# Altium PCB TEBF0808ASCII.PcbDoc (part 1 of 10) (continued)
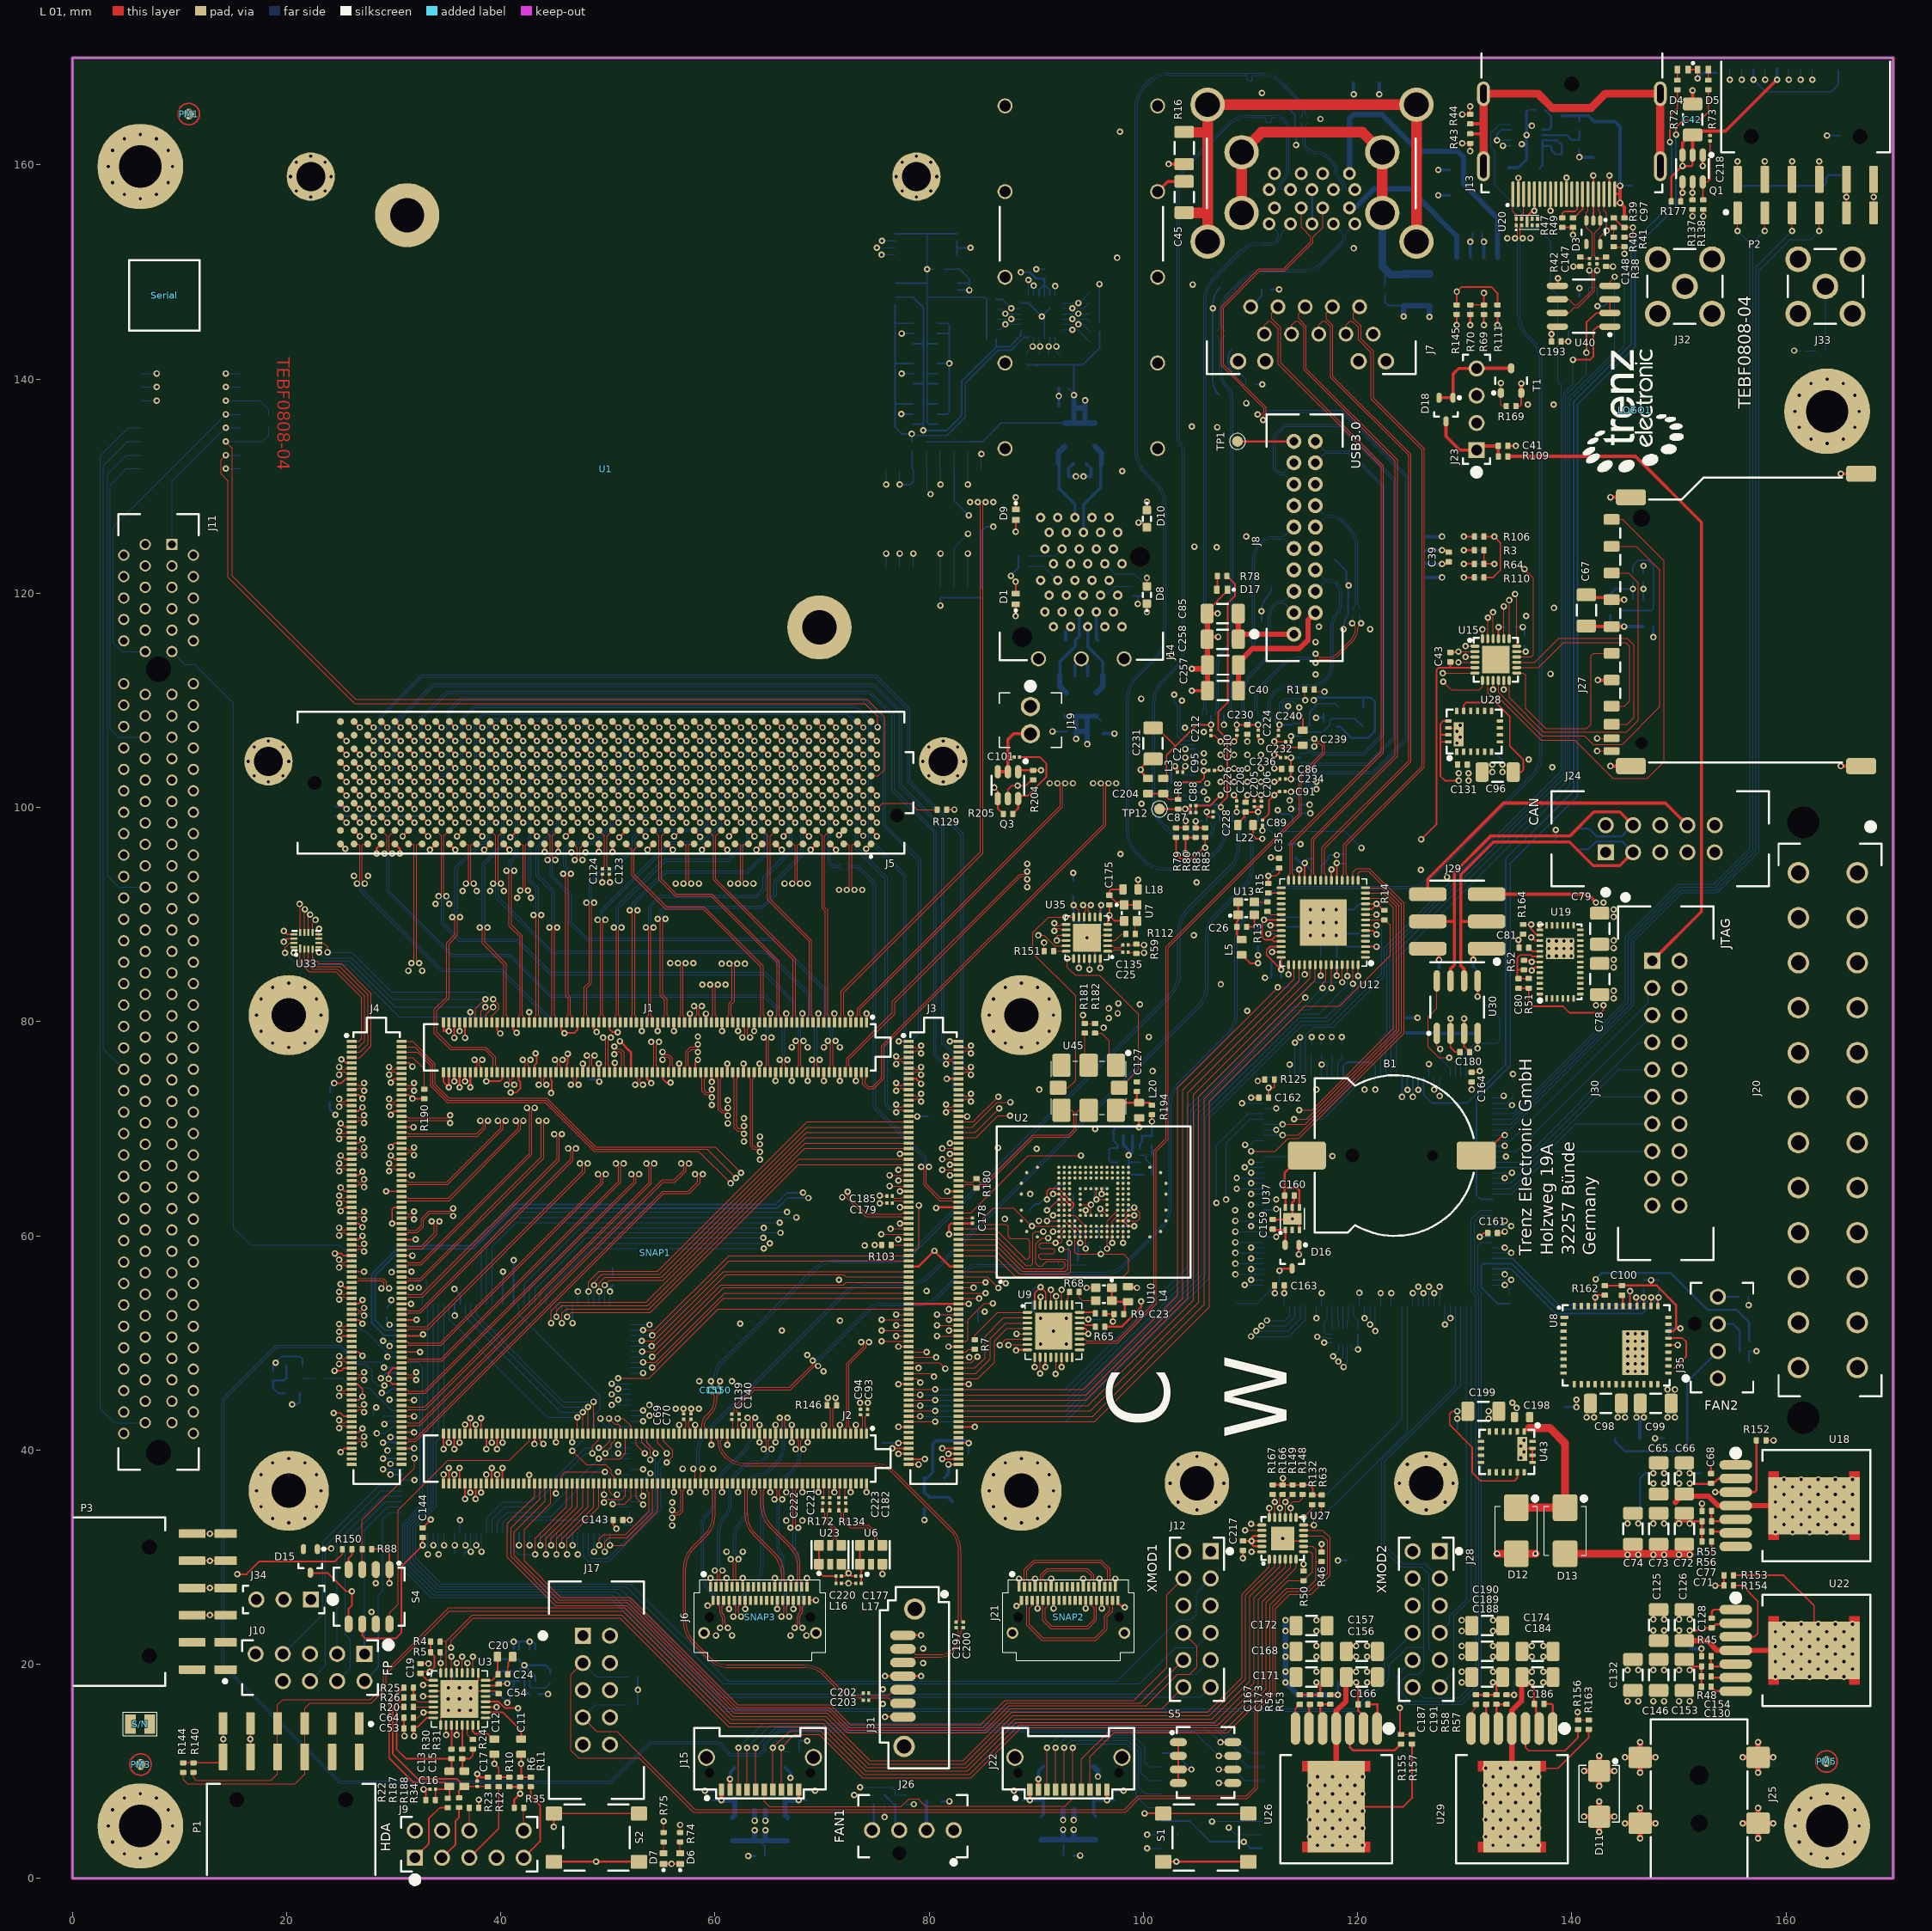
[diagram p0: L 01 view]
## Design rules (kind name [scope] priority, off if disabled: settings) (continued)
Width [All] p0: scope1count=1 scope1_0_kind=Board scope1_0_value=Board scope2count=1 scope2_0_kind=Board scope2_0_value=Board commentlength=0 maxlimit=1 minlimit=0.1 preferedwidth=0.1
Width [All] p1: maxlimit=1 minlimit=0.1 preferedwidth=0.1 minimp=50.000000 maximp=50.000000 favimp=50.000000
20 further rules are at their usual default settings.

## Classes and differential pairs
net class D100_U: USB3_RXUP_N USB3_RXUP_P USB3_RXUPC_N USB3_RXUPC_P USB3_TXUP_N USB3_TXUP_P USB3_TXUPC_N USB3_TXUPC_P
net class SATA: SATA_RX_N SATA_RX_P SATA_TX_N SATA_TX_P
component class CLK_MUX: C127 C177 C179 C181 C182 C185 C196 C220 C221 C222 C223 L16 L17 L20 R134 R146 R172 R180 R181 R182 R191 R192 R193 R194 U6 U23 U45 U47
component class PMODE: P1 P2 P3 R140 R144 R166 R167 U33
component class SATA: C197 C200 C202 C203 J31
net class PWR: 5V 12V
component class FMC: J5
component class Power_1: C125 C126 C128 C130 C132 C146 C153 C154 C156 C157 C166 C167 C168 C171 C172 C173 R45 R48 R53 R54 R153 R154 R155 R157 TP4 TP5 U22 U26
net class eMMC: MMC-CCLK MMC-CMD MMC-D0 MMC-D1 MMC-D2 MMC-D3 MMC-D4 MMC-D5 MMC-D6 MMC-D7
component class eMMC: C107 C108 C115 C116 C119 C120 R89 R90 R91 R92 R93 R94 R95 R96 R99 R103 R184 U2
component class FireFly: C103 C104 C105 C106 C109 C110 C111 C112 C113 C114 C117 C118 J6 J15 J21 J22 L2 L6 L13 L14 R17 R33 R46 R50 R148 R149 SNAP2 SNAP3 U34
net class USB3_PHY: USB0_D_N USB0_D_P USB3_RXUP_N USB3_RXUP_P USB3_RXUPC_N USB3_RXUPC_P USB3_TXUP_N USB3_TXUP_P USB3_TXUPC_N USB3_TXUPC_P
net class HB: B48_L1_N B48_L1_P B48_L2_N B48_L2_P B48_L3_N B48_L3_P B48_L4_N B48_L4_P B48_L5_N B48_L5_P B48_L8_N B48_L8_P B48_L9_N B48_L9_P B48_L10_N B48_L10_P B48_L11_N B48_L11_P B48_L12_N B48_L12_P B64_L13_N B64_L13_P B64_L20_N B64_L20_P B64_L21_N B64_L21_P B64_L22_N B64_L22_P B64_L23_N B64_L23_P B64_L24_N B64_L24_P B65_L11_N B65_L11_P B65_L20_N B65_L20_P B65_L21_N B65_L21_P B65_L22_N B65_L22_P B65_L23_N B65_L23_P B65_L24_N B65_L24_P
net class LA: B64_L1_N B64_L1_P B64_L2_N B64_L2_P B64_L3_N B64_L3_P B64_L4_N B64_L4_P B64_L5_N B64_L5_P B64_L6_N B64_L6_P B64_L7_N B64_L7_P B64_L8_N B64_L8_P B64_L9_N B64_L9_P B64_L10_N B64_L10_P B64_L11_N B64_L11_P B64_L12_N B64_L12_P B64_L15_N B64_L15_P B64_L16_N B64_L16_P B64_L17_N B64_L17_P B64_L18_N B64_L18_P B64_L19_N B64_L19_P B65_L1_N B65_L1_P B65_L2_N B65_L2_P B65_L3_N B65_L3_P B65_L4_N B65_L4_P B65_L5_N B65_L5_P B65_L6_N B65_L6_P B65_L7_N B65_L7_P B65_L8_N B65_L8_P B65_L9_N B65_L9_P B65_L10_N B65_L10_P B65_L12_N B65_L12_P B65_L13_N B65_L13_P B65_L15_N B65_L15_P B65_L16_N B65_L16_P B65_L17_N B65_L17_P B65_L18_N B65_L18_P B65_L19_N B65_L19_P
net class DisplayPortA: DP_TX_L0_N DP_TX_L0_P
component class DP_PS: C97 C129 C134 C137 C139 C140 C147 C148 C193 D2 D3 J13 R38 R39 R40 R41 R42 R43 R44 R47 R49 R66 R67 R84 R97 R158 R159 TP18 TP19 U20 U31 U40
component class "FMC PWR": C101 J19 M1 Q3 R204 R205 U1
net class HA: B66_L1_N B66_L1_P B66_L2_N B66_L2_P B66_L3_N B66_L3_P B66_L4_N B66_L4_P B66_L5_N B66_L5_P B66_L6_N B66_L6_P B66_L7_N B66_L7_P B66_L8_N B66_L8_P B66_L9_N B66_L9_P B66_L10_N B66_L10_P B66_L11_N B66_L11_P B66_L12_N B66_L12_P B66_L13_N B66_L13_P B66_L14_N B66_L14_P B66_L15_N B66_L15_P B66_L16_N B66_L16_P B66_L17_N B66_L17_P B66_L18_N B66_L18_P B66_L19_N B66_L19_P B66_L20_N B66_L20_P B66_L21_N B66_L21_P B66_L22_N B66_L22_P B66_L23_N B66_L23_P B66_L24_N B66_L24_P
net class D100: B48_L1_N B48_L1_P B48_L2_N B48_L2_P B48_L3_N B48_L3_P B48_L4_N B48_L4_P B48_L5_N B48_L5_P B48_L8_N B48_L8_P B48_L9_N B48_L9_P B48_L10_N B48_L10_P B48_L11_N B48_L11_P B48_L12_N B48_L12_P B64_L1_N B64_L1_P B64_L2_N B64_L2_P B64_L3_N B64_L3_P B64_L4_N B64_L4_P B64_L5_N B64_L5_P B64_L6_N B64_L6_P B64_L7_N B64_L7_P B64_L8_N B64_L8_P B64_L9_N B64_L9_P B64_L10_N B64_L10_P B64_L11_N B64_L11_P B64_L12_N B64_L12_P B64_L13_N B64_L13_P B64_L15_N B64_L15_P B64_L16_N B64_L16_P B64_L17_N B64_L17_P B64_L18_N B64_L18_P B64_L19_N B64_L19_P B64_L20_N B64_L20_P B64_L21_N B64_L21_P B64_L22_N B64_L22_P B64_L23_N B64_L23_P B64_L24_N B64_L24_P B65_L1_N B65_L1_P B65_L2_N B65_L2_P B65_L3_N B65_L3_P B65_L4_N B65_L4_P B65_L5_N B65_L5_P B65_L6_N B65_L6_P B65_L7_N B65_L7_P B65_L8_N B65_L8_P B65_L9_N B65_L9_P B65_L10_N B65_L10_P B65_L11_N B65_L11_P B65_L12_N B65_L12_P B65_L13_N B65_L13_P B65_L15_N B65_L15_P B65_L16_N B65_L16_P B65_L17_N B65_L17_P B65_L18_N B65_L18_P B65_L19_N B65_L19_P B65_L20_N B65_L20_P B65_L21_N B65_L21_P B65_L22_N B65_L22_P B65_L23_N B65_L23_P B65_L24_N B65_L24_P B66_L1_N B66_L1_P B66_L2_N B66_L2_P B66_L3_N B66_L3_P B66_L4_N B66_L4_P B66_L5_N B66_L5_P B66_L6_N B66_L6_P B66_L7_N B66_L7_P B66_L8_N B66_L8_P B66_L9_N B66_L9_P B66_L10_N B66_L10_P B66_L11_N B66_L11_P B66_L12_N B66_L12_P B66_L13_N B66_L13_P B66_L14_N B66_L14_P B66_L15_N B66_L15_P B66_L16_N B66_L16_P B66_L17_N B66_L17_P B66_L18_N B66_L18_P B66_L19_N B66_L19_P B66_L20_N B66_L20_P B66_L21_N B66_L21_P B66_L22_N B66_L22_P B66_L23_N B66_L23_P B66_L24_N B66_L24_P B228_RX0_N B228_RX0_P B228_RX1_N B228_RX1_P B228_RX2_N B228_RX2_P B228_RX3_N B228_RX3_P B228_TX0_N B228_TX0_P B228_TX1_N B228_TX1_P B228_TX2_N B228_TX2_P B228_TX3_N B228_TX3_P B229_RX0_N B229_RX0_P B229_RX1_N B229_RX1_P B229_RX2_N B229_RX2_P B229_RX3_N B229_RX3_P B229_TX0_N B229_TX0_P B229_TX1_N B229_TX1_P B229_TX2_N B229_TX2_P B229_TX3_N B229_TX3_P B230_RX0_N B230_RX0_P B230_RX1_N B230_RX1_P B230_TX0_N B230_TX0_P B230_TX1_N B230_TX1_P
net class USB3_4: U3D4_N U3D4_P USB2_DN4_D_N USB2_DN4_D_P USB3_RXDN4_D_N USB3_RXDN4_D_P USB3_TXDN4_D_N USB3_TXDN4_D_P
net class USB3_3: U3D3_N U3D3_P USB2_DN3_D_N USB2_DN3_D_P USB3_RXDN3_D_N USB3_RXDN3_D_P USB3_TXDN3_D_N USB3_TXDN3_D_P
component class SC2: C141 C142 C143 C144 C145 L15 R19 R88 R189 U25 U38 U39
component class Power_2: C65 C66 C68 C71 C72 C73 C74 C77 C98 C99 C100 D15 R55 R56 R81 R82 R150 R152 R162 R183 R185 R186 TP3 TP6 U8 U18
component class SC: C161 C162 C163 C164 U17 U32
component class I2C_system: C215 C217 J34 R63 R132 R135 R136 R141 R142 R? U16 U27
component class SD: C42 C43 C46 C67 C165 C218 C219 J16 J27 Q1 Q2 R137 R138 R139 R147 R177 R178 U15
component class USB: C2 C86 C87 C88 C89 C91 C95 C204 C205 C206 C208 C210 C212 C224 C226 C228 C230 C231 C232 C234 C236 C239 C240 L3 L22 R8 TP12
component class ETH-PHY: C14 C26 C27 C28 C29 C30 C31 C32 C33 C34 C35 C36 C37 C38 C44 C45 C136 C169 C170 L5 L7 R13 R14 R15 R16 R36 R37 U12 U13
component class USB-PHY: C21 C22 C23 C158 L4 R7 R9 R65 R68 TP33 U9 U10
component class USB-CONN: C3 C4 C5 C6 C7 C8 C9 C10 C39 C40 C82 C83 C84 C85 C149 C257 C258 C259 C260 C261 J7 J8 R3 R64 R69 R70 R106 R110 R111 R143 R145 TP1 U11 U14 U21 U49 U50 U51
component class PCIe: C69 C70 C93 C94 J11 R119 R120
component class J3: C1 J3 L1 TP15 TP28 TP29 TP30 TP31 TP32 TP36
component class J2: B1 C159 C160 D16 J2 TP2 U37
component class J1: J1 R160
component class TEBF0808: C41 D11 D18 J10 J20 J23 J25 J26 J35 L19 L21 LOGO1 PM1 PM2 PM3 PM4 PM5 PM6 R27 R28 R29 R60 R61 R98 R109 R169 R196 R197 R198 R199 S1 S2 S/N Serial SNAP1 T1 TP11 U48
component class SFP: C47 C48 C49 C50 C51 C52 C57 C58 C59 C60 C61 C62 D1 D8 D9 D10 J14 L8 L9 L11 L12 R18 R21 R86 R87 R101 R102 R104 R105 R107 R108 R113 R114 R115 R117 R118 R121 R122 R123 R124 R127 R165 R179 U44
net class ETH-MDI: PHY_MDI0_N PHY_MDI0_P PHY_MDI1_N PHY_MDI1_P PHY_MDI2_N PHY_MDI2_P PHY_MDI3_N PHY_MDI3_P
net class eSD: ESD_CLK ESD_CMD ESD_DAT0 ESD_DAT1 ESD_DAT2 ESD_DAT3
component class XMOD: J12 J28 J30
component class CLK: C25 C75 C76 C135 C175 C176 C178 C183 C194 C195 J32 J33 L10 L18 R59 R112 R130 R131 R151 R168 U7 U35
net class ETH: ETH_RXCK ETH_RXCTL ETH_RXD0 ETH_RXD1 ETH_RXD2 ETH_RXD3 ETH_TXCK ETH_TXCTL ETH_TXD0 ETH_TXD1 ETH_TXD2 ETH_TXD3
net class SD: SD_CLK SD_CMD SD_DAT0 SD_DAT1 SD_DAT2 SD_DAT3
net class USB0: USB0_CLK USB0_DATA0 USB0_DATA1 USB0_DATA2 USB0_DATA3 USB0_DATA4 USB0_DATA5 USB0_DATA6 USB0_DATA7 USB0_DIR USB0_NXT USB0_STP
component class FMC_MISC: C121 C122 C123 C124 R2 R62 R116 R125 R126 R129
net class FMC_DP: B228_RX0_N B228_RX0_P B228_RX1_N B228_RX1_P B228_RX2_N B228_RX2_P B228_RX3_N B228_RX3_P B228_TX0_N B228_TX0_P B228_TX1_N B228_TX1_P B228_TX2_N B228_TX2_P B228_TX3_N B228_TX3_P B229_RX0_N B229_RX0_P B229_RX1_N B229_RX1_P B229_RX2_N B229_RX2_P B229_RX3_N B229_RX3_P B229_TX0_N B229_TX0_P B229_TX1_N B229_TX1_P B229_TX2_N B229_TX2_P B229_TX3_N B229_TX3_P B230_RX0_N B230_RX0_P B230_RX1_N B230_RX1_P B230_TX0_N B230_TX0_P B230_TX1_N B230_TX1_P
component class Audio: C11 C12 C13 C15 C16 C17 C18 C19 C20 C24 C53 C54 C55 C56 C63 C64 C207 C214 C216 J9 R4 R5 R6 R10 R11 R12 R20 R22 R23 R24 R25 R26 R30 R31 R34 R35 R128 R170 R171 R187 R188 TP13 U3 U46
component class J4: J4 R32 R161 R190
component class USB3-HUB: C150 C151 C152 C155 C255 C256 C? D17 R1 R71 R76 R77 R78 R79 R80 R83 R85 R195 R200 R201 R202 R203 U4 U5 Y1
net class USB3_1: U3D1_N U3D1_P USB2_DN1_D_N USB2_DN1_D_P USB3_RXDN1_D_N USB3_RXDN1_D_P USB3_TXDN1_D_N USB3_TXDN1_D_P
net class USB3_2: U3D2_N U3D2_P USB2_DN2_D_N USB2_DN2_D_P USB3_RXDN2_D_N USB3_RXDN2_D_P USB3_TXDN2_D_N USB3_TXDN2_D_P
component class Power_3: C78 C79 C80 C81 C96 C131 C174 C184 C186 C187 C188 C189 C190 C191 R51 R52 R57 R58 R156 R163 R164 TP7 TP8 TP9 U19 U28 U29
net class SFP1_CTRL: SFP1_LOS SFP1_M-DEF0 SFP1_RS0 SFP1_RS1 SFP1_SCL SFP1_SDA SFP1_TX_DIS SFP1_TX_FAULT
net class SFP2_CTRL: SFP2_LOS SFP2_M-DEF0 SFP2_RS0 SFP2_RS1 SFP2_SCL SFP2_SDA SFP2_TX_DIS SFP2_TX_FAULT
component class MISC: C138 C180 C192 D4 D5 D6 D7 D14 J17 J24 J29 R72 R73 R74 R75 R100 R133 R173 R174 S4 S5 U24 U30 U36 U41 U42
component class Power_4: C198 C199 D12 D13 D? TP10 U43
net class PCI: CLK0_N CLK0_P PCI_REF_N PCI_REF_P PCI_RX_N PCI_RX_P PCI_TX_N PCI_TX_P PET0_N PET0_P
net class FF: B128_RX0_N B128_RX0_P B128_RX1_N B128_RX1_P B128_RX2_N B128_RX2_P B128_RX3_N B128_RX3_P B128_TX0_N B128_TX0_P B128_TX1_N B128_TX1_P B128_TX2_N B128_TX2_P B128_TX3_N B128_TX3_P
net class HS: A2_N A2_P B2_N B2_P B128_RX0_N B128_RX0_P B128_RX1_N B128_RX1_P B128_RX2_N B128_RX2_P B128_RX3_N B128_RX3_P B128_TX0_N B128_TX0_P B128_TX1_N B128_TX1_P B128_TX2_N B128_TX2_P B128_TX3_N B128_TX3_P B230_RX2_N B230_RX2_P B230_RX3_N B230_RX3_P B230_TX2_N B230_TX2_P B230_TX3_N B230_TX3_P DP0_TX_N DP0_TX_P DP_TX_L0_N DP_TX_L0_P PCI_RX_N PCI_RX_P PCI_TX_N PCI_TX_P PET0_N PET0_P SATA_RX_N SATA_RX_P SATA_TX_N SATA_TX_P U3D1_N U3D1_P U3D2_N U3D2_P U3D3_N U3D3_P U3D4_N U3D4_P USB3_RXDN1_D_N USB3_RXDN1_D_P USB3_RXDN2_D_N USB3_RXDN2_D_P USB3_RXDN3_D_N USB3_RXDN3_D_P USB3_RXDN4_D_N USB3_RXDN4_D_P USB3_RXUP_N USB3_RXUP_P USB3_RXUPC_N USB3_RXUPC_P USB3_TXDN1_D_N USB3_TXDN1_D_P USB3_TXDN2_D_N USB3_TXDN2_D_P USB3_TXDN3_D_N USB3_TXDN3_D_P USB3_TXDN4_D_N USB3_TXDN4_D_P USB3_TXUP_N USB3_TXUP_P USB3_TXUPC_N USB3_TXUPC_P
net class D90: U3D1_N U3D1_P U3D2_N U3D2_P U3D3_N U3D3_P U3D4_N U3D4_P USB0_D_N USB0_D_P USB2_DN1_D_N USB2_DN1_D_P USB2_DN2_D_N USB2_DN2_D_P USB2_DN3_D_N USB2_DN3_D_P USB2_DN4_D_N USB2_DN4_D_P USB3_RXDN1_D_N USB3_RXDN1_D_P USB3_RXDN2_D_N USB3_RXDN2_D_P USB3_RXDN3_D_N USB3_RXDN3_D_P USB3_RXDN4_D_N USB3_RXDN4_D_P USB3_TXDN1_D_N USB3_TXDN1_D_P USB3_TXDN2_D_N USB3_TXDN2_D_P USB3_TXDN3_D_N USB3_TXDN3_D_P USB3_TXDN4_D_N USB3_TXDN4_D_P
differential pair B47_L5: +B47_L5_P -B47_L5_N
differential pair OSC1: +OSC1_P -OSC1_N
differential pair OSC0: +OSC0_P -OSC0_N
differential pair CLK8C: +CLK8C_P -CLK8C_N
differential pair B505_CLK1: +B505_CLK1_P -B505_CLK1_N
differential pair SATA_TX: +SATA_TX_P -SATA_TX_N
differential pair SATA_RX: +SATA_RX_P -SATA_RX_N
differential pair B2: +B2_P -B2_N
differential pair A2: +A2_P -A2_N
differential pair FMCCLK3: +FMCCLK3_P -FMCCLK3_N
differential pair FMCCLK2: +FMCCLK2_P -FMCCLK2_N
differential pair B505_CLK0: +B505_CLK0_P -B505_CLK0_N
differential pair B230_CLK1: +B230_CLK1_P -B230_CLK1_N
differential pair CLK8: +CLK8_P -CLK8_N
differential pair CLK7: +CLK7_P -CLK7_N
differential pair B64_L14: +B64_L14_P -B64_L14_N
differential pair B48_L6: +B48_L6_P -B48_L6_N
differential pair GBTCLK1: +GBTCLK1_P -GBTCLK1_N
differential pair GBTCLK0: +GBTCLK0_P -GBTCLK0_N
differential pair B128_TX3: +B128_TX3_P -B128_TX3_N
differential pair B128_TX2: +B128_TX2_P -B128_TX2_N
differential pair B128_TX1: +B128_TX1_P -B128_TX1_N
differential pair B128_TX0: +B128_TX0_P -B128_TX0_N
differential pair B128_RX3: +B128_RX3_P -B128_RX3_N
differential pair B128_RX2: +B128_RX2_P -B128_RX2_N
differential pair B128_RX1: +B128_RX1_P -B128_RX1_N
differential pair B128_RX0: +B128_RX0_P -B128_RX0_N
differential pair U3D4: +U3D1_P -U3D1_N
differential pair U3D3: +U3D2_P -U3D2_N
differential pair U3D2: +U3D3_P -U3D3_N
differential pair U3D1: +U3D4_P -U3D4_N
differential pair USB3_RXUP: +USB3_RXUP_P -USB3_RXUP_N
differential pair USB3_TXUP: +USB3_TXUP_P -USB3_TXUP_N
differential pair USB0_D: +USB0_D_P -USB0_D_N
differential pair USB3_TXDN4_D: +USB3_TXDN4_D_P -USB3_TXDN4_D_N
differential pair USB3_RXDN4_D: +USB3_RXDN4_D_P -USB3_RXDN4_D_N
differential pair USB2_DN4_D: +USB2_DN4_D_P -USB2_DN4_D_N
differential pair USB3_TXDN3_D: +USB3_TXDN3_D_P -USB3_TXDN3_D_N
differential pair USB3_RXDN3_D: +USB3_RXDN3_D_P -USB3_RXDN3_D_N
differential pair USB2_DN3_D: +USB2_DN3_D_P -USB2_DN3_D_N
differential pair USB3_TXDN2_D: +USB3_TXDN2_D_P -USB3_TXDN2_D_N
differential pair USB3_RXDN2_D: +USB3_RXDN2_D_P -USB3_RXDN2_D_N
differential pair USB2_DN2_D: +USB2_DN2_D_P -USB2_DN2_D_N
differential pair USB3_TXDN1_D: +USB3_TXDN1_D_P -USB3_TXDN1_D_N
differential pair USB3_RXDN1_D: +USB3_RXDN1_D_P -USB3_RXDN1_D_N
differential pair USB2_DN1_D: +USB2_DN1_D_P -USB2_DN1_D_N
differential pair PCI_TX: +PCI_TX_P -PCI_TX_N
differential pair PCI_RX: +PCI_RX_P -PCI_RX_N
differential pair DP_AUX: +DP_AUX_P -DP_AUX_N
differential pair B65_L13: +B65_L13_P -B65_L13_N
differential pair B65_L10: +B65_L10_P -B65_L10_N
differential pair B65_L9: +B65_L9_P -B65_L9_N
differential pair B65_L8: +B65_L8_P -B65_L8_N
differential pair B65_L7: +B65_L7_P -B65_L7_N
differential pair B65_L6: +B65_L6_P -B65_L6_N
differential pair B65_L5: +B65_L5_P -B65_L5_N
differential pair B65_L4: +B65_L4_P -B65_L4_N
differential pair B65_L3: +B65_L3_P -B65_L3_N
differential pair B65_L2: +B65_L2_P -B65_L2_N
differential pair B65_L1: +B65_L1_P -B65_L1_N
differential pair B64_L24: +B64_L24_P -B64_L24_N
differential pair B64_L23: +B64_L23_P -B64_L23_N
differential pair B64_L22: +B64_L22_P -B64_L22_N
differential pair B64_L21: +B64_L21_P -B64_L21_N
differential pair B64_L20: +B64_L20_P -B64_L20_N
differential pair B64_L19: +B64_L19_P -B64_L19_N
differential pair B64_L18: +B64_L18_P -B64_L18_N
differential pair B64_L16: +B64_L16_P -B64_L16_N
differential pair B64_L15: +B64_L15_P -B64_L15_N
differential pair B64_L12: +B64_L12_P -B64_L12_N
differential pair B64_L11: +B64_L11_P -B64_L11_N
differential pair B64_L10: +B64_L10_P -B64_L10_N
differential pair B64_L9: +B64_L9_P -B64_L9_N
differential pair B64_L6: +B64_L6_P -B64_L6_N
differential pair B64_L5: +B64_L5_P -B64_L5_N
differential pair B64_L4: +B64_L4_P -B64_L4_N
differential pair B64_L3: +B64_L3_P -B64_L3_N
differential pair DP_TX_L0: +DP_TX_L0_P -DP_TX_L0_N
differential pair DP_TX_AUX: +DP_TX_AUX_P -DP_TX_AUX_N
differential pair B230_TX2: +B230_TX2_P -B230_TX2_N
differential pair B230_RX2: +B230_RX2_P -B230_RX2_N
differential pair B66_L24: +B66_L24_P -B66_L24_N
differential pair B66_L23: +B66_L23_P -B66_L23_N
differential pair B66_L22: +B66_L22_P -B66_L22_N
differential pair B66_L21: +B66_L21_P -B66_L21_N
differential pair B66_L20: +B66_L20_P -B66_L20_N
differential pair B66_L19: +B66_L19_P -B66_L19_N
differential pair B66_L18: +B66_L18_P -B66_L18_N
differential pair B66_L17: +B66_L17_P -B66_L17_N
differential pair B66_L16: +B66_L16_P -B66_L16_N
differential pair B66_L15: +B66_L15_P -B66_L15_N
differential pair B66_L14: +B66_L14_P -B66_L14_N
differential pair B66_L13: +B66_L13_P -B66_L13_N
differential pair B66_L12: +B66_L12_P -B66_L12_N
differential pair B66_L11: +B66_L11_P -B66_L11_N
differential pair B66_L10: +B66_L10_P -B66_L10_N
differential pair B66_L9: +B66_L9_P -B66_L9_N
differential pair B66_L8: +B66_L8_P -B66_L8_N
differential pair B66_L7: +B66_L7_P -B66_L7_N
differential pair B66_L6: +B66_L6_P -B66_L6_N
differential pair B66_L5: +B66_L5_P -B66_L5_N
differential pair B66_L4: +B66_L4_P -B66_L4_N
differential pair B66_L3: +B66_L3_P -B66_L3_N
differential pair B66_L2: +B66_L2_P -B66_L2_N
differential pair B66_L1: +B66_L1_P -B66_L1_N
differential pair B65_L23: +B65_L23_P -B65_L23_N
differential pair B65_L22: +B65_L22_P -B65_L22_N
differential pair B65_L21: +B65_L21_P -B65_L21_N
differential pair B65_L20: +B65_L20_P -B65_L20_N
differential pair B65_L18: +B65_L18_P -B65_L18_N
differential pair B230_TX3: +B230_TX3_P -B230_TX3_N
differential pair B230_RX3: +B230_RX3_P -B230_RX3_N
differential pair PET0: +PET0_P -PET0_N
differential pair B228_TX3: +B228_TX3_P -B228_TX3_N
differential pair B228_TX2: +B228_TX2_P -B228_TX2_N
differential pair B228_TX1: +B228_TX1_P -B228_TX1_N
differential pair B228_TX0: +B228_TX0_P -B228_TX0_N
differential pair B228_RX3: +B228_RX3_P -B228_RX3_N
differential pair B228_RX2: +B228_RX2_P -B228_RX2_N
differential pair B228_RX1: +B228_RX1_P -B228_RX1_N
differential pair B228_RX0: +B228_RX0_P -B228_RX0_N
differential pair PCI_REF: +PCI_REF_P -PCI_REF_N
differential pair PHY_MDI3: +PHY_MDI3_P -PHY_MDI3_N
differential pair PHY_MDI2: +PHY_MDI2_P -PHY_MDI2_N
differential pair PHY_MDI1: +PHY_MDI1_P -PHY_MDI1_N
differential pair PHY_MDI0: +PHY_MDI0_P -PHY_MDI0_N
differential pair CLK0: +CLK0_P -CLK0_N
differential pair B229_RX0: +B229_RX0_P -B229_RX0_N
differential pair B229_RX1: +B229_RX1_P -B229_RX1_N
differential pair B229_RX2: +B229_RX2_P -B229_RX2_N
differential pair B229_RX3: +B229_RX3_P -B229_RX3_N
differential pair B229_TX0: +B229_TX0_P -B229_TX0_N
differential pair B229_TX1: +B229_TX1_P -B229_TX1_N
differential pair B229_TX2: +B229_TX2_P -B229_TX2_N
differential pair B229_TX3: +B229_TX3_P -B229_TX3_N
differential pair B230_RX0: +B230_RX0_P -B230_RX0_N
differential pair B230_RX1: +B230_RX1_P -B230_RX1_N
differential pair B230_TX0: +B230_TX0_P -B230_TX0_N
differential pair B230_TX1: +B230_TX1_P -B230_TX1_N
differential pair USB3_RXUPC: +USB3_TXUPC_P -USB3_TXUPC_N
differential pair USB3_TXUPC: +USB3_RXUPC_P -USB3_RXUPC_N
differential pair B65_L12: +B65_L12_P -B65_L12_N
differential pair B228_CLK0: +B228_CLK0_P -B228_CLK0_N
differential pair B229_CLK0: +B229_CLK0_P -B229_CLK0_N
differential pair DP0_TX: +DP0_TX_P -DP0_TX_N
differential pair B48_L1: +B48_L1_P -B48_L1_N
differential pair B48_L2: +B48_L2_P -B48_L2_N
differential pair B48_L3: +B48_L3_P -B48_L3_N
differential pair B48_L4: +B48_L4_P -B48_L4_N
differential pair B48_L5: +B48_L5_P -B48_L5_N
differential pair B48_L8: +B48_L8_P -B48_L8_N
differential pair B48_L9: +B48_L9_P -B48_L9_N
differential pair B48_L10: +B48_L10_P -B48_L10_N
differential pair B48_L11: +B48_L11_P -B48_L11_N
differential pair B48_L12: +B48_L12_P -B48_L12_N
differential pair B64_L1: +B64_L1_P -B64_L1_N
differential pair B64_L2: +B64_L2_P -B64_L2_N
differential pair B64_L7: +B64_L7_P -B64_L7_N
differential pair B64_L8: +B64_L8_P -B64_L8_N
differential pair B64_L13: +B64_L13_P -B64_L13_N
differential pair B64_L17: +B64_L17_P -B64_L17_N
differential pair B65_L11: +B65_L11_P -B65_L11_N
differential pair B65_L15: +B65_L15_P -B65_L15_N
differential pair B65_L16: +B65_L16_P -B65_L16_N
differential pair B65_L17: +B65_L17_P -B65_L17_N
differential pair B65_L19: +B65_L19_P -B65_L19_N
differential pair B65_L24: +B65_L24_P -B65_L24_N
differential pair FF_L1: +FF_L1_P -FF_L1_N
differential pair FF_L2: +FF_L2_P -FF_L2_N
differential pair FF_L3: +FF_L3_P -FF_L3_N
differential pair " ": +FF_L4_P -FF_L4_N

## Components (designator, comment, footprint, x,y, rotation, side; value= is the part's Value field where it differs from the comment)
B1 "Batteriehalter CR1220" CR1220 123.5,67.5 r180 top locked
C1 "22µF" CAPC3216X180N 79.55,35.95 r90 bottom
C2 "100nF" CAPC0603X33N 103.423,103.3 r180 top
C3 "100nF" CAPC0603X33N 114.65,164.177 r270 bottom
C4 "100nF" CAPC0603X33N 115.35,164.177 r270 bottom
C5 "100nF" CAPC0603X33N 106.881,144.27 r90 bottom
C6 "100nF" CAPC0603X33N 107.581,144.27 r90 bottom
C7 "100nF" CAPC0603X33N 110.611,115.975 r90 bottom
C8 "100nF" CAPC0603X33N 109.936,115.975 r90 bottom
C9 "100nF" CAPC0603X33N 120.221,118.302 r90 bottom
C10 "100nF" CAPC0603X33N 119.571,118.302 r90 bottom
C11 "10µF" CAPC1608X90N 41.9,12.3 r270 top
C12 "10µF" CAPC1608X90N 39.4,12.3 r270 top
C13 "10µF" CAPC1608X90N 35.2,9.3 r270 top
C14 "470nF" CAPC1005X55N 120.6,91 r180 bottom
C15 "10µF" CAPC1608X90N 36.6,9.3 r270 top
C16 "100nF" CAPC0603X33N 33.652,8.325 r0 top
C17 "100nF" CAPC0603X33N 37.8,8.848 r270 top
C18 "10µF" CAPC1608X90N 34.89,19.19 r0 bottom
C19 "470nF" CAPC1005X55N 32.5,19.6 r90 top
C20 "10µF" CAPC1608X90N 40.4,20.7 r0 top
C21 "470nF" CAPC1005X55N 93.75,50.87 r180 bottom
C22 "470nF" CAPC1005X55N 91.85,53.25 r270 bottom
C23 "470nF" CAPC1005X55N 97.7,52.7 r180 top
C24 "470nF" CAPC1005X55N 40.2,19.05 r0 top
C25 "100nF" CAPC0603X33N 98.325,86.475 r180 top
C26 "470nF" CAPC1005X55N 109.175,88.85 r0 top
C27 "470nF" CAPC1005X55N 116.55,85.607 r90 bottom
C28 "470nF" CAPC1005X55N 118.05,85.557 r90 bottom
C29 "470nF" CAPC1005X55N 113.45,94.2 r180 bottom
C30 "470nF" CAPC1005X55N 112.4,89.75 r0 bottom
C31 "470nF" CAPC1005X55N 120.55,87 r180 bottom
C32 "4.7µF" CAPC1005X60N 118.85,95.2 r90 bottom
C33 "470nF" CAPC1005X55N 116.15,94.025 r180 bottom
C34 "10µF" CAPC1608X90N 116.55,95.2 r180 bottom
C35 "470nF" CAPC1005X55N 112.675,94.8 r90 top
C36 "4.7µF" CAPC1005X60N 112.4,85.55 r180 bottom
C37 "470nF" CAPC1005X55N 112.4,84.1 r180 bottom
C38 "470nF" CAPC1005X55N 120.55,88.2 r180 bottom
C39 "4.7µF" CAPC1005X60N 128.5,123.375 r270 top
C40 "100µF" CAPC3216X180N 107.425,110.9 r180 top
C41 "4.7µF" CAPC1005X60N 133.575,133.75 r180 top
C42 "47µF" CAPC3216X180N 151.275,164.225 r90 top
C43 "470nF" CAPC1005X55N 128.65,114.025 r90 top
C44 "470nF" CAPC1005X55N 111.475,148.375 r0 bottom
C45 "100pF" CAPC3216X180N 103.8,156.994 r90 top
C46 "470nF" CAPC1005X55N 134.275,116.85 r180 bottom
C47 "470nF" CAPC1005X55N 93.3,107.1 r180 bottom
C48 "10µF" CAPC1608X90N 95.5,106.9 r0 bottom
C49 "10µF" CAPC1608X90N 95.5,112.3 r180 bottom
C50 "470nF" CAPC1005X55N 95.3,115.6 r0 bottom
C51 "10µF" CAPC1608X90N 92.9,112.3 r0 bottom
C52 "470nF" CAPC1005X55N 93.2,115.6 r180 bottom
C53 "470nF" CAPC1005X55N 31.4,14 r180 top
C54 "470nF" CAPC1005X55N 39.8,17.7 r270 top
C55 "100µF" CAPC3216X180N 41.8,13.3 r270 bottom
C56 "100µF" CAPC3216X180N 39.4,13.3 r270 bottom
C57 "470nF" CAPC1005X55N 92.55,139.15 r180 bottom
C58 "10µF" CAPC1608X90N 92.8,137.5 r180 bottom
C59 "10µF" CAPC1608X90N 92.76,132.1 r0 bottom
C60 "470nF" CAPC1005X55N 92.56,130.9 r0 bottom
C61 "10µF" CAPC1608X90N 95.36,132.1 r180 bottom
C62 "470nF" CAPC1005X55N 95.56,130.9 r180 bottom
C63 "10µF" CAPC1608X90N 33.7,16.3 r90 bottom
C64 "470nF" CAPC1005X55N 31.4,15 r180 top
C65 "22µF" CAPC3216X180N 148.1,37.35 r90 top
C66 "22µF" CAPC3216X180N 150.5,37.35 r90 top
C67 "47µF" CAPC3216X180N 141.35,118.4 r90 top
C68 "33nF" CAPC1005X55N 153,37.35 r270 top
C69 "100nF" CAPC0603X33N 57.075,43.125 r270 top
C70 "100nF" CAPC0603X33N 57.75,43.127 r270 top
C71 "220nF" CAPC1005X55N 152.6,31.45 r180 top
C72 "100µF" CAPC3216X180N 150.5,32.65 r90 top
C73 "100µF" CAPC3216X180N 148.1,32.65 r90 top
C74 "100µF" CAPC3216X180N 145.7,32.65 r90 top
C75 "470nF" CAPC1005X55N 93.035,87.575 r0 bottom
C76 "470nF" CAPC1005X55N 93.475,89.765 r270 bottom
C77 "220nF" CAPC1005X55N 152.6,32.4 r180 top
C78 "47µF" CAPC3216X180N 142.6,83.975 r90 top
C79 "22µF" CAPC3216X180N 142.6,88.675 r90 top
C80 "15pF" CAPC1005X55N 135.025,83.57 r90 top
C81 "33nF" CAPC1005X55N 135.525,86.9 r180 top
C82 "4.7µF" CAPC1005X60N 131.175,153.6 r180 bottom
C83 "100µF" CAPC3216X180N 127.1,157.15 r0 bottom
C84 "100µF" CAPC3216X180N 122.025,166.15 r90 bottom
C85 "100µF" CAPC3216X180N 107.4,118.1 r180 top
C86 "4.7µF" CAPC1005X60N 113.35,103.6 r0 top
C87 "100nF" CAPC0603X33N 104.65,99.525 r0 top
C88 "10nF" CAPC0603X33N 104.65,100.175 r0 top
C89 "100nF" CAPC0603X33N 111.111,98.57 r270 top
C91 "100nF" CAPC0603X33N 112.975,101.475 r0 top
C93 "100nF" CAPC0603X33N 74.231,43.55 r270 top
C94 "100nF" CAPC0603X33N 73.581,43.55 r270 top
C95 "100nF" CAPC0603X33N 106.375,103.45 r180 top
C96 "47µF" CAPC3216X180N 133.075,103.3 r180 top
C97 "470nF" CAPC1005X55N 144.9,154.6 r270 top
C98 "47µF" CAPC3216X180N 143.176,44.351 r0 top
C99 "22µF" CAPC3216X180N 147.826,44.351 r0 top
C100 "33nF" CAPC1005X55N 144.676,54.901 r270 top
C101 "10nF" CAPC0603X33N 88.177,104.7 r0 top
C103 "22µF" CAPC3216X180N 64.2,4.95 r270 bottom
C104 "470nF" CAPC1005X55N 64.2,2.1 r0 bottom
C105 "22µF" CAPC3216X180N 61.85,8.9 r90 bottom
C106 "470nF" CAPC1005X55N 59.85,7.75 r270 bottom
C107 "4.7µF" CAPC1005X60N 90.25,62.525 r270 bottom
C108 "470nF" CAPC1005X55N 98.425,62.275 r90 bottom
C109 "22µF" CAPC3216X180N 66.55,8.9 r270 bottom
C110 "470nF" CAPC1005X55N 68.55,7.75 r90 bottom
C111 "22µF" CAPC3216X180N 93,5 r270 bottom
C112 "470nF" CAPC1005X55N 93,2.15 r180 bottom
C113 "22µF" CAPC3216X180N 90.65,9 r90 bottom
C114 "470nF" CAPC1005X55N 88.7,7.75 r270 bottom
C115 "4.7µF" CAPC1005X60N 93,64.75 r0 bottom
C116 "470nF" CAPC1005X55N 95.875,64.625 r180 bottom
C117 "22µF" CAPC3216X180N 95.35,9 r270 bottom
C118 "470nF" CAPC1005X55N 97.35,7.75 r90 bottom
C119 "470nF" CAPC1005X55N 93.45,58.65 r0 bottom
C120 "470nF" CAPC1005X55N 93.45,57.75 r0 bottom
C121 "100nF" CAPC0603X33N 72.05,94.826 r180 bottom
C122 "100nF" CAPC0603X33N 72.05,94.176 r180 bottom
C123 "100nF" CAPC0603X33N 50.13,94.012 r90 top
C124 "100nF" CAPC0603X33N 49.486,94.013 r90 top
C125 "22µF" CAPC3216X180N 148.1,23.65 r90 top
C126 "22µF" CAPC3216X180N 150.5,23.65 r90 top
C127 "470nF" CAPC1005X55N 99.4,73.925 r270 top
C128 "33nF" CAPC1005X55N 153.05,23.85 r270 top
C129 "22µF" CAPC3216X180N 135.565,159.735 r180 bottom
C130 "470nF" CAPC1005X55N 152.55,17.9 r180 top
C131 "4.7µF" CAPC1005X60N 129.775,104 r0 top
C132 "100µF" CAPC3216X180N 145.7,19 r90 top
C134 "1nF" CAPC1005X55N 137.015,165.135 r0 bottom
C135 "100nF" CAPC0603X33N 98.325,87.15 r180 top
C136 "10µF" CAPC1608X90N 110.7,87.7 r270 bottom
C137 "22µF" CAPC3216X180N 142.415,162.585 r90 bottom
C138 "470nF" CAPC1005X55N 80.9,150.25 r0 bottom
C139 "100nF" CAPC0603X33N 61.575,43.1 r90 top
C140 "100nF" CAPC0603X33N 62.25,43.1 r90 top
C141 "470nF" CAPC1005X55N 29.35,52.85 r90 bottom
C142 "470nF" CAPC1005X55N 50.45,55.85 r90 bottom
C143 "470nF" CAPC1005X55N 50.95,33.45 r180 top
C144 "470nF" CAPC1005X55N 32.7,32.28 r90 top
C145 "470nF" CAPC1005X55N 18.725,46.95 r90 bottom
C146 "100µF" CAPC3216X180N 148.1,19 r90 top
C147 "100nF" CAPC0603X33N 141.65,151 r270 top
C148 "100nF" CAPC0603X33N 142.35,151 r270 top
C149 "100pF" CAPC3216X180N 124.3,148.3 r270 bottom
C150 "100nF" CAPC0603X33N 60.375,45.6 r90 top
C151 "100nF" CAPC0603X33N 59.725,45.6 r90 top
C152 "100nF" CAPC0603X33N 110.45,97.375 r90 bottom
C153 "100µF" CAPC3216X180N 150.5,19 r90 top
C154 "220nF" CAPC1005X55N 152.55,18.85 r180 top
C155 "100nF" CAPC0603X33N 109.809,97.375 r90 bottom
C156 "22µF" CAPC3216X180N 120.4,18.8 r0 top
C157 "22µF" CAPC3216X180N 120.4,21.2 r0 top
C158 "470nF" CAPC1005X55N 89.6,54.4 r90 bottom
C159 "4.7µF" CAPC1005X60N 112.075,61.075 r90 top
C160 "4.7µF" CAPC1005X60N 113.625,63.75 r0 top
C161 "470nF" CAPC1005X55N 132.6,60.25 r0 top
C162 "470nF" CAPC1005X55N 111.23,72.9 r0 top
C163 "470nF" CAPC1005X55N 112.7,55.375 r180 top
C164 "470nF" CAPC1005X55N 130.65,74.82 r90 top
C165 "470nF" CAPC1005X55N 135.575,115.6 r270 bottom
C166 "33nF" CAPC1005X55N 120.5,16.25 r180 top
C167 "470nF" CAPC1005X55N 114.6,16.7 r90 top
C168 "100µF" CAPC3216X180N 115.7,21.2 r0 top
C169 "470nF" CAPC1005X55N 112.95,88.85 r0 bottom
C170 "220nF" CAPC1005X55N 112.4,87.5 r270 bottom
C171 "100µF" CAPC3216X180N 115.7,18.8 r0 top
C172 "100µF" CAPC3216X180N 115.7,23.6 r0 top
C173 "220nF" CAPC1005X55N 115.55,16.7 r90 top
C174 "22µF" CAPC3216X180N 136.8,18.8 r0 top
C175 "470nF" CAPC1005X55N 96.825,91.35 r270 top
C176 "100nF" CAPC0603X33N 161.647,142.65 r0 bottom
C177 "470nF" CAPC0603X33N 73.4,28.225 r0 top
C178 "100nF" CAPC0603X33N 84.025,61.425 r90 top
C179 "100nF" CAPC0603X33N 76.3,63.066 r0 top
C180 "470nF" CAPC1005X55N 130,77.15 r0 top
C181 "470nF" CAPC1005X55N 97.675,69.325 r180 bottom
C182 "100nF" CAPC0603X33N 72.214,35.3 r90 top
C183 "470nF" CAPC1005X55N 95.925,86.065 r90 bottom
C184 "22µF" CAPC3216X180N 136.8,21.2 r0 top
C185 "100nF" CAPC0603X33N 76.3,63.716 r0 top
C186 "33nF" CAPC1005X55N 136.95,16.3 r180 top
C187 "470nF" CAPC1005X55N 131.05,16.7 r90 top
C188 "100µF" CAPC3216X180N 132.1,18.8 r0 top
C189 "100µF" CAPC3216X180N 132.1,21.2 r0 top